# Altium PCB AKK_V2.1.PcbDoc
Units mm, origin at the board's own origin, x right, y up, seen from the top; angles counter-clockwise.
Board outline 84.98 x 55.07 mm, 4 copper layers (Top Layer, Int1 (GND), Int2 (PWR), Bottom Layer), stack 1.369 mm thick; 57 components, 58 nets, 266 pads, 112 vias.
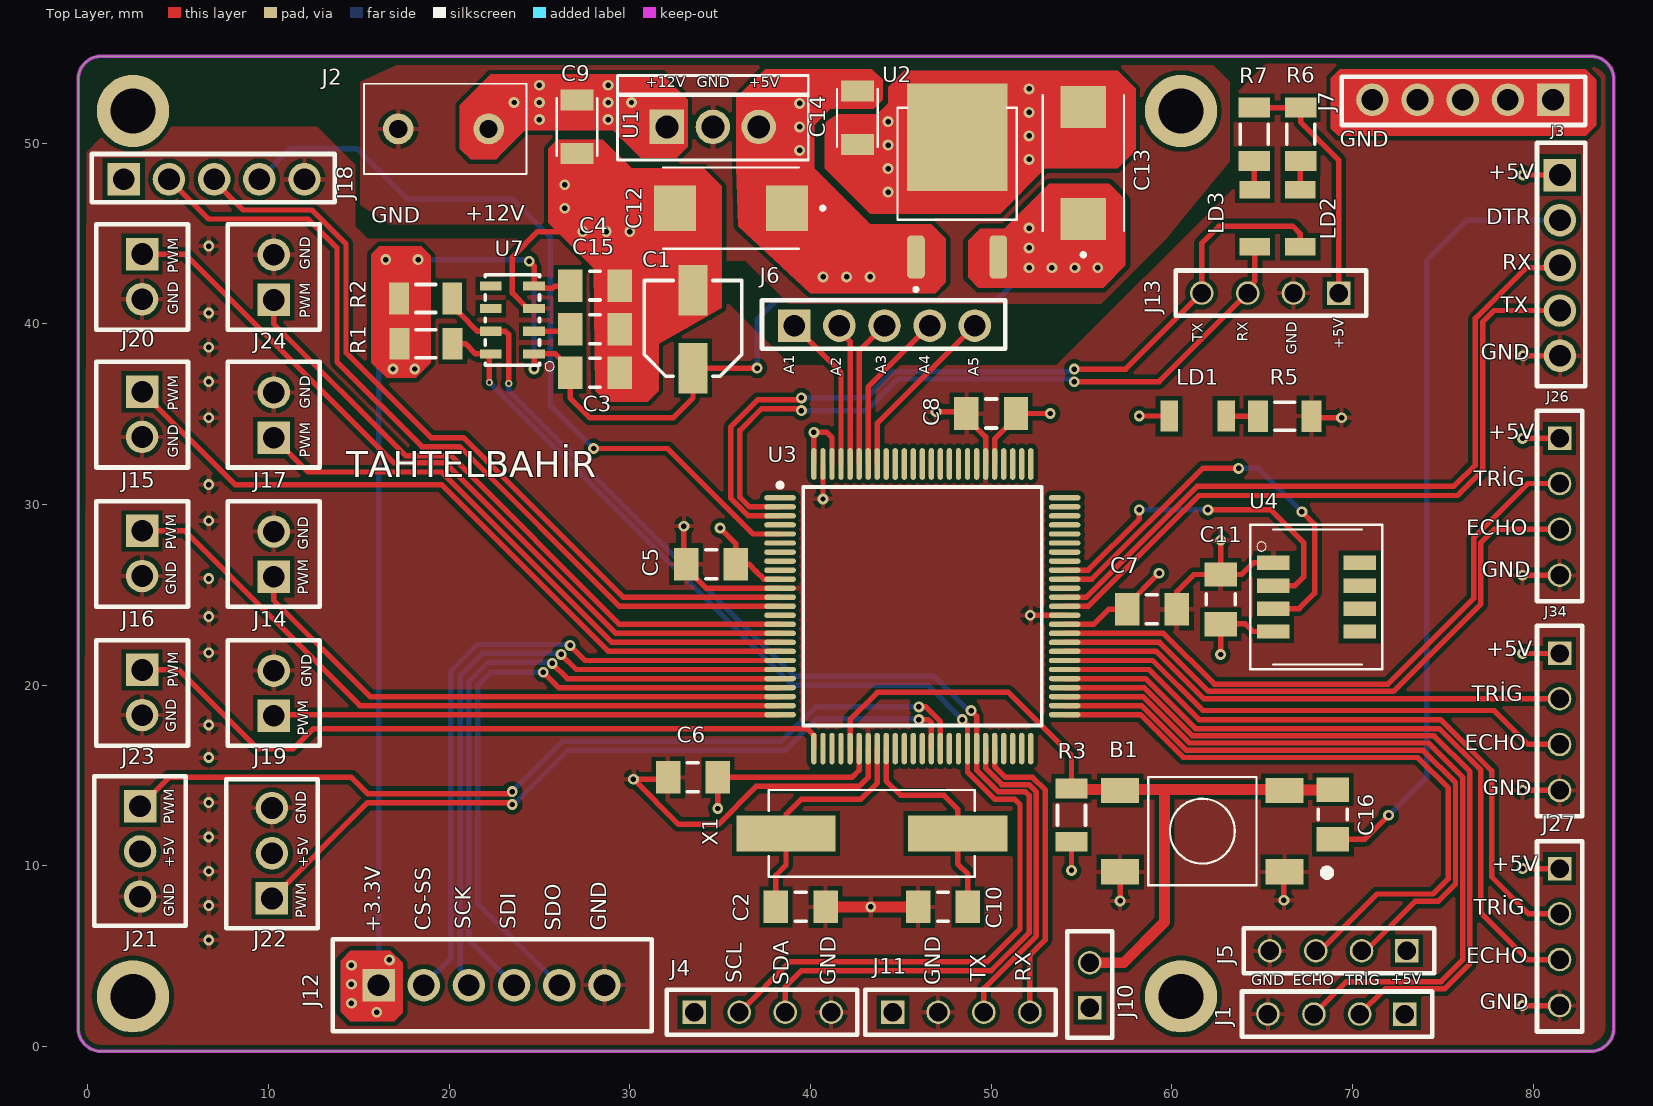
[diagram p0: Top Layer view]
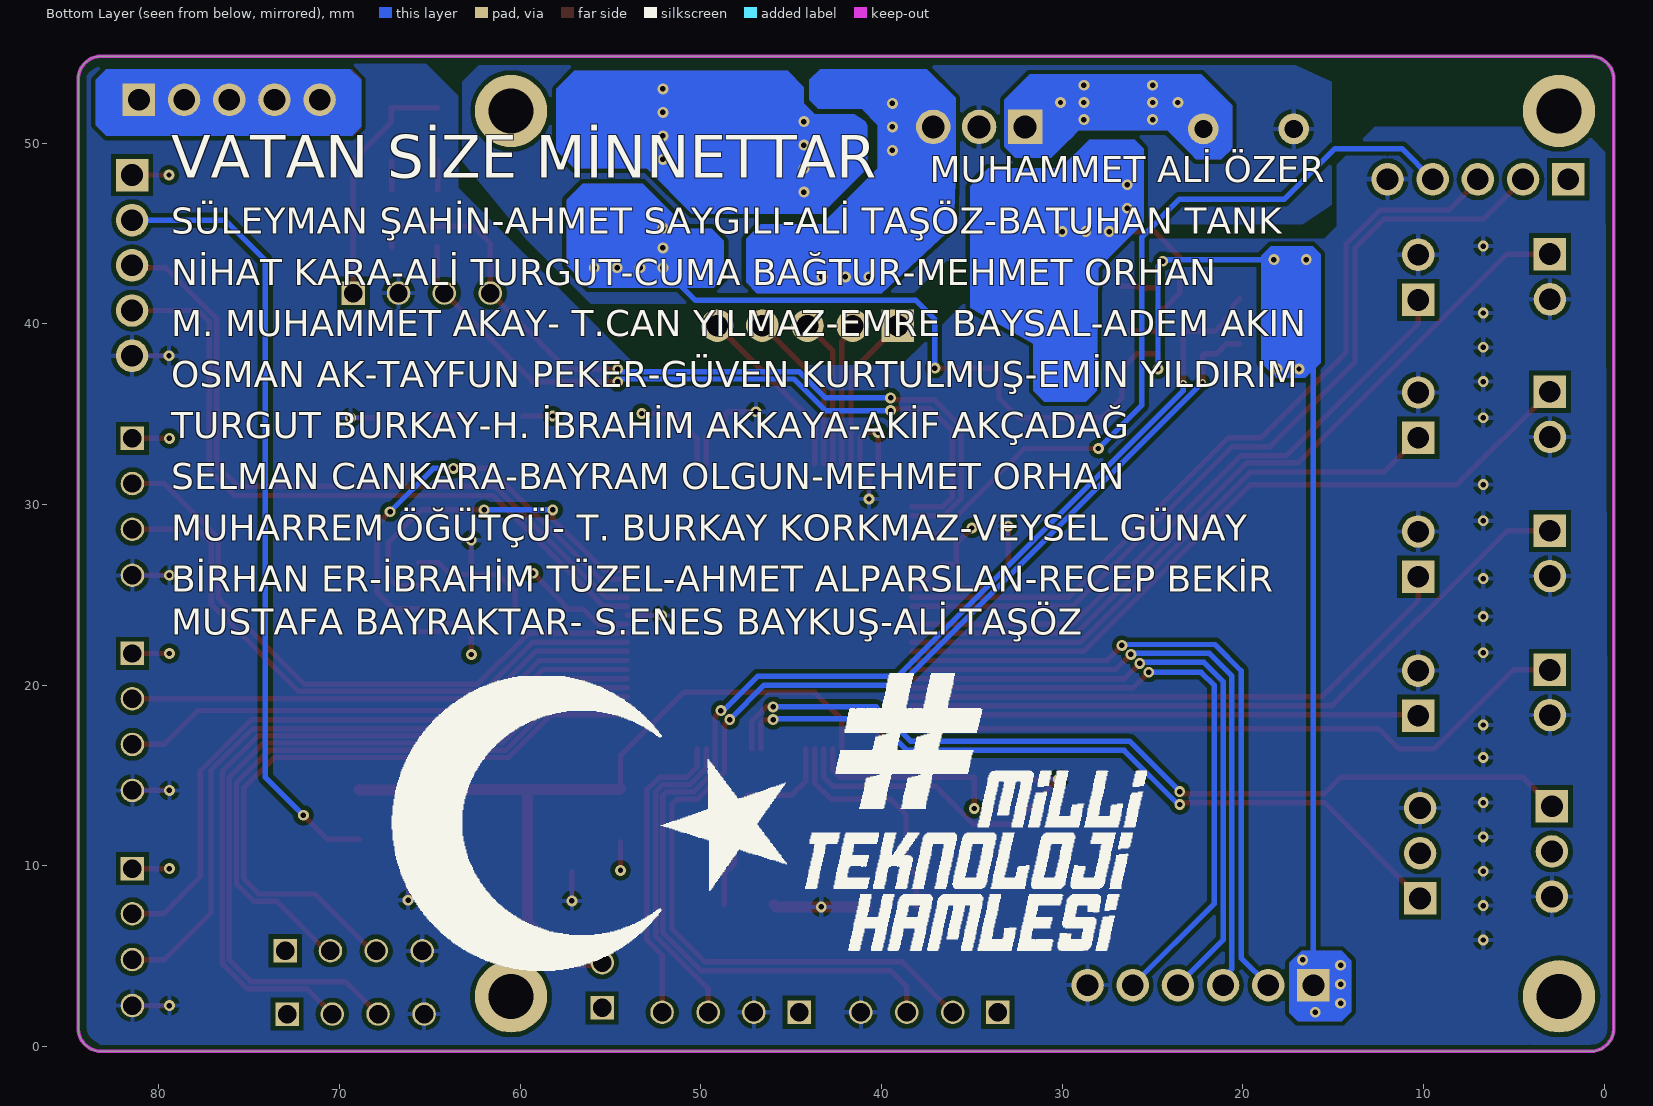
[diagram p1: Bottom Layer view, seen from below]
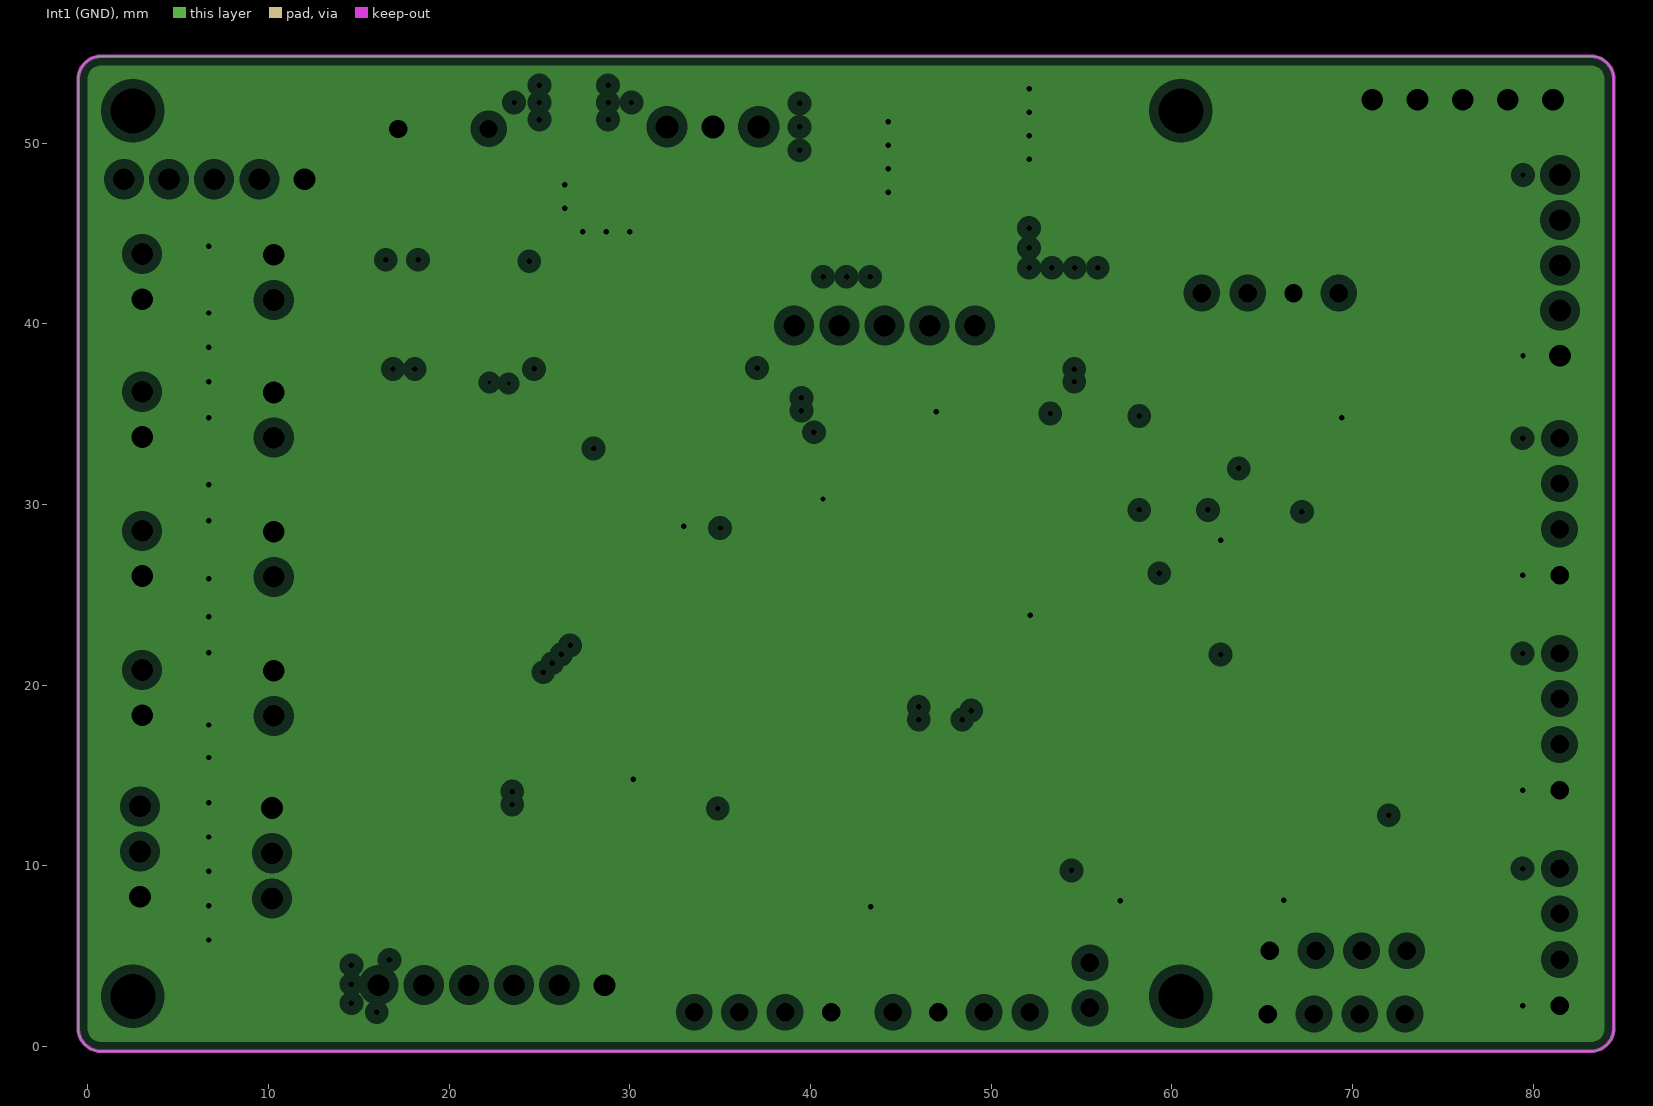
[diagram p2: Int1 (GND), clearances drawn from the general rule]
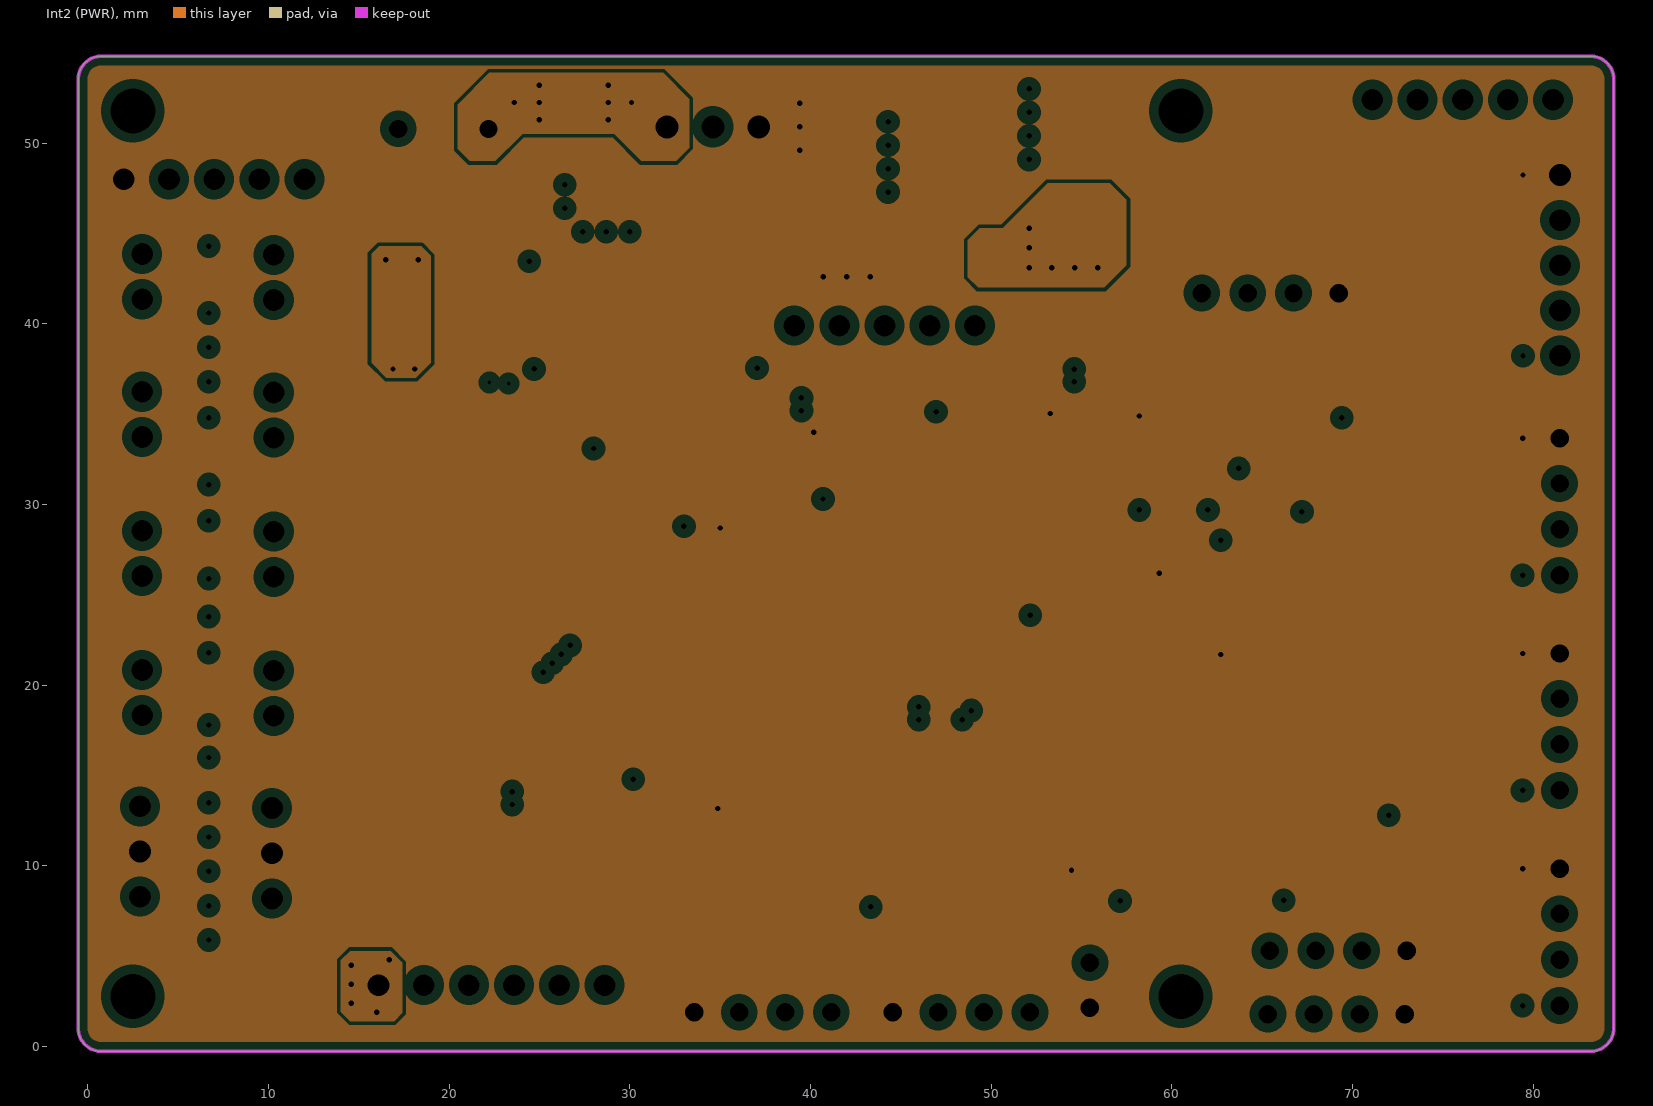
[diagram p3: Int2 (PWR), clearances drawn from the general rule]
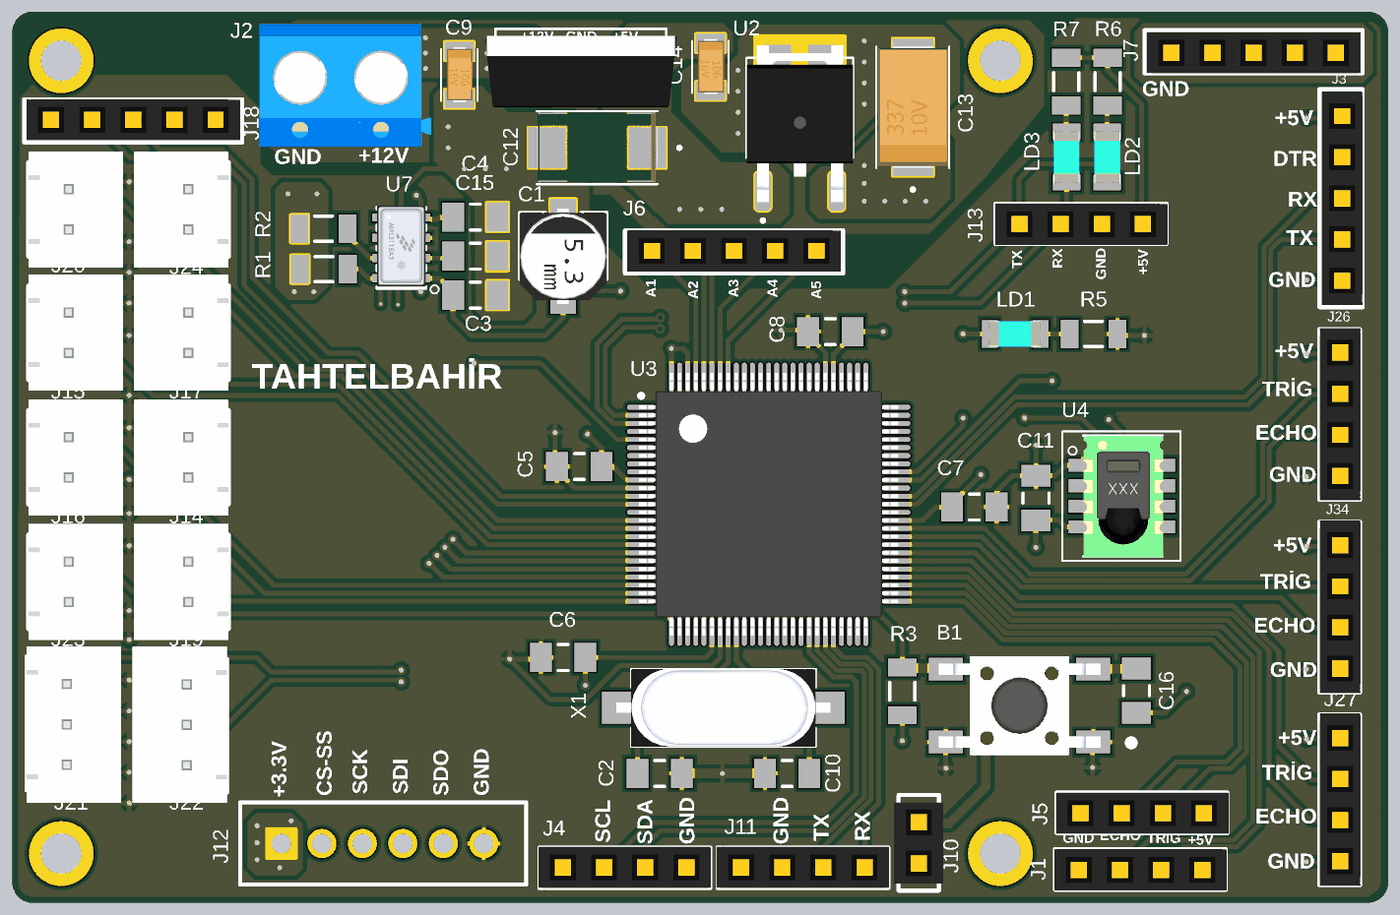
[diagram p4: 3D render of the assembled board from above, using the file's embedded part models]

## Layer stack, top to bottom
Top Solder: solder mask 0.0254, SM-001, Dk 4
Top Layer: signal copper 0.035
Dielectric 1: prepreg 0.1295, PP-017, Dk 4.3
Dielectric 2: prepreg 0.1295, PP-017, Dk 4.3
Int1 (GND): plane copper 0.035, net GND
Dielectric 3: core 0.7112, Core-039, Dk 4.8
Int2 (PWR): plane copper 0.035, net (Multiple Nets)
Dielectric 4: prepreg 0.1295, PP-017, Dk 4.3
Dielectric 5: prepreg 0.1295, PP-017, Dk 4.3
Bottom Layer: signal copper 0.035
Bottom Solder: solder mask 0.0254, SM-001, Dk 4

## Board outline
-0.522,1.008 ccw(c0.748,1.008) 0.748,-0.262 4.18,-0.262 ccw(c4.18,-0.26) 4.182,-0.26 83.19,-0.26 ccw(c83.19,1.01) 84.46,1.01 84.46,53.54 ccw(c83.19,53.54) 83.19,54.81 0.748,54.81 ccw(c0.748,53.54) -0.522,53.54

## Design rules (kind name [scope] priority, off if disabled: settings)
Clearance [All] p1: gap=0.254 ignorepadtopadclearanceinfootprint=FALSE except(0: Arc-Hole Track-Hole SMDPad-Hole THPad-Hole Via-Hole Fill-Hole Poly-Hole Region-Hole Text-Hole; 0.1: Arc-Arc Arc-Track Arc-SMDPad Arc-Via Track-Track Track-SMDPad Track-Via SMDPad-SMDPad SMDPad-Via THPad-Via Via-Via)
PlaneClearance [All] p1: clearance=0.508
PlaneConnect [All] p1: planeconnectstyle=Relief reliefexpansion=0.508 reliefentries=4 reliefconductorwidth=0.254 reliefairgap=0.254
PolygonConnect [All] p1: connectstyle=Relief reliefconductorwidth=0.254 reliefentries=4 polygonreliefangle="90 Angle" airgapwidth=0.254
RoutingVias [All] p1: holewidth=0.3 width=6 viastyle="Through Hole" minholewidth=0.2 minwidth=0.4 maxholewidth=10 maxwidth=20
SolderMaskExpansion [All] p1: expansion=0.102 istentingtop=FALSE
Width [All] p1: maxlimit=10 minlimit=0.3 preferedwidth=0.3 minimp=50.000000 maximp=50.000000 favimp=50.000000
28 further rules are at their usual default settings.

## Components (designator, comment, footprint, x,y, rotation, side; value= is the part's Value field where it differs from the comment)
B1 "4-SMD-BTTN" 4-SMD-BTTN-11.6-6.5 61.688,11.923 r180 top
C1 "=Value" CAP_5MM 33.5,39.7 r90 top
C2 "=Value" C1206N 39.463,7.732 r0 top
C3 "=Value" C1206N 28.079,37.292 r180 top
C4 "=Value" C1206N 28.079,42.118 r180 top
C5 "=Value" C1206N 34.5,26.7 r0 top
C6 "=Value" C1206N 33.5,14.9 r0 top
C7 "=Value" C1206N 58.9,24.2 r180 top
C8 "=Value" C1206N 50.004,35.037 r0 top
C9 "470nF" T_1206 27.082,50.9 r270 top
C10 "=Value" C1206N 47.337,7.732 r180 top
C11 "=Value" C1206N 62.704,24.75 r90 top
C12 "22uF" T_7343 35.6,46.4 r180 top
C13 "10uF" T_7343 55.1,48.9 r90 top
C14 "330nF" T_1206 42.6,51.4 r270 top
C15 "0.1uF" C1206N 28.079,39.705 r0 top
C16 "100nF" C1206N 68.913,12.846 r90 top
J1 "=Value" 4_PİN_HEADER 72.9,1.8 r180 top
J2 "=Value" Klemens_5mm 22.191,50.785 r180 top
J3 "=Value" 5_PİN_HEADER 81.481,48.235 r270 top
J4 "=Value" 4_PİN_HEADER 33.567,1.9 r0 top
J5 "=Value" 4_PİN_HEADER 73,5.3 r180 top
J6 "=Value" 5_PİN_HEADER 39.1,39.9 r0 top
J7 "=Value" 5_PİN_HEADER 81.1,52.4 r180 top
J10 "=Value" 2_PİN_HEADER 55.465,2.144 r90 top
J11 "=Value" 4_PİN_HEADER 44.567,1.9 r0 top
J12 "=Value" CONN_6_XH 16.1,3.4 r0 top
J13 "=Value" 4_PİN_HEADER 69.233,41.7 r180 top
J14 "=Value" CONN_2_XH 10.3,26 r90 top
J15 "=Value" CONN_2_XH 3.014,36.24 r270 top
J16 "=Value" CONN_2_XH 3.014,28.54 r270 top
J17 "=Value" CONN_2_XH 10.3,33.7 r90 top
J18 "=Value" 5_PİN_HEADER 2,48 r0 top
J19 "=Value" CONN_2_XH 10.3,18.306 r90 top
J20 "=Value" CONN_2_XH 3.014,43.861 r270 top
J21 "=Value" CONN_3_XH 2.9,13.3 r270 top
J22 "=Value" CONN_3_XH 10.2,8.2 r90 top
J23 "=Value" CONN_2_XH 3.014,20.846 r270 top
J24 "=Value" CONN_2_XH 10.3,41.321 r90 top
J26 "=Value" 4_PİN_HEADER 81.461,33.662 r270 top
J27 "=Value" 4_PİN_HEADER 81.461,9.851 r270 top
J34 "=Value" 4_PİN_HEADER 81.461,21.757 r270 top
LD1 "=Value" 1206-BLUE 61.427,34.895 r180 top
LD2 "=Value" 1206-BLUE 67.103,45.837 r270 top
LD3 "=Value" 1206-BLUE 64.591,45.837 r270 top
R1 "1K" R1206N 18.725,38.9 r180 top
R2 "1K" R1206N 18.7,41.4 r180 top
R3 "10K" R1206N 54.449,12.812 r90 top
R5 "=Value" R1206N 66.253,34.895 r180 top
R6 "=Value" R1206N 67.127,50.487 r270 top
R7 "=Value" R1206N 64.567,50.487 r270 top
U1 "LM2940-5V" TO220 32.06,50.9 r0 top
U2 "LD29150DT33R-3.3v" TO252-DPAK 48.12,47.9 r90 top
U3 "ATMEGA2560" TQFP100-2 46.194,24.369 r0 top
U4 "SHT15" SHT15 68.015,24.877 r0 top
U7 "MPL3115A2" MPL3115A2 23.507,40.213 r180 top
X1 "16MHz" HC49 43.4,11.796 r180 top

## Footprints (in the part's own frame and the unit in brackets; to place one, negate y for a bottom-side part, rotate by r counter-clockwise, add the part's x,y. Pads: shape width x height; smd on the part's side, far side on the other; paste and mask are expansions set on the pad)
2_PİN_HEADER [mm]
  rect 1.3x1.3 hole 1.02: 1(0,0)
  round 1.3 hole 1.02: 2(2.5,0)
  silkscreen extent -1.65,-1.25 4.25,1.25, body extent -1.2,-1.52 3.8,1.52, height 8.5
4-SMD-BTTN-11.6-6.5 [mm]
  rect 2.1x1.4 smd: 1(-4.55,2.25) 2(4.55,2.25) 3(-4.55,-2.25) 4(4.55,-2.25)
  silkscreen extent -7.1,-3 3,3, body extent -5,-3 5,3, height 7.26
4_PİN_HEADER [mm]
  rect 1.3x1.3 hole 1.02: 1(0,0)
  round 1.3 hole 1.02: 2(2.5,0) 3(5.033,0) 4(7.58,0)
  silkscreen extent -1.52,-1.25 9.02,1.25, body extent -1.6,-1.24 9.06,1.3, height 8.7
5_PİN_HEADER [mm]
  rect 1.8x1.8 hole 1.2: 1(0,0)
  round 1.8 hole 1.2: 2(2.5,0) 3(5,0) 4(7.5,0) 5(10,0)
  silkscreen extent -1.78,-1.27 11.68,1.4, body extent -1.64,-1.14 11.56,1.4, height 8.7
1206-BLUE [mil]
  rect 38x67 smd: 1(-62,0) 2(62,0)
  body extent -62,-31 64,31, height 43
C1206N [mm] "Chip Capacitor, 2-Leads, Body 3,20x1,60mm, IPC Medium Density"
  rect 1.35x1.8 smd: 1(-1.375,0) 2(1.375,0)
  silkscreen extent -0.3,-0.8 0.3,0.8, body extent -1.7,-0.9 1.7,0.9, height 1.8
CAP_5MM [mm]
  rect 2.8x1.6 smd: 1(-2.15,0) 2(2.15,0)
  silkscreen extent -2.6,-2.7 2.7,2.7, body extent -2.95,-2.7 2.95,2.7, height 5.4
CONN_2_XH [mm]
  rect 1.8x1.8 hole 1.2: 1(0,0)
  round 1.8 hole 1.2: 2(2.5,0)
  silkscreen extent -1.65,-2.54 4.19,2.54, body extent -2.32,-2.54 4.86,3.3, height 7.51
CONN_3_XH [mm]
  rect 1.8x1.8 hole 1.2: 1(0,0)
  round 1.8 hole 1.2: 2(2.5,0) 3(5,0)
  silkscreen extent -1.65,-2.54 6.6,2.54, body extent -2.3,-2.54 7.38,3.3, height 7.41
CONN_6_XH [mm]
  rect 1.8x1.8 hole 1.2: 1(0,0)
  round 1.8 hole 1.2: 2(2.5,0) 3(5,0) 4(7.5,0) 5(10,0) 6(12.5,0)
  silkscreen extent -2.54,-2.54 15.11,2.54
HC49 [mm]
  rect 5.5x2 smd: 1(-4.75,0) 2(4.75,0)
  silkscreen extent -5.7,-2.4 5.7,2.4, body extent -6.6,-2.4 6.6,2.4, height 4.4
Klemens_5mm [mm]
  round 1.7 hole 1: 1(0,0) 2(5,0)
  silkscreen extent -2.1,-2.5 6.9,2.5, body extent -3.18,-3.3 7.44,4.3, height 10
MPL3115A2 [mm]
  rect 1.2x0.5 smd: 1(-1.2,1.875) 2(-1.2,0.625) 3(-1.2,-0.625) 4(-1.2,-1.875) 5(1.2,-1.875) 6(1.2,-0.625) 7(1.2,0.625) 8(1.2,1.875)
  Top Layer region: -2.032,-2.159
  silkscreen extent -2.31,-2.5 1.5,2.82, body extent -1.5,-2.63 1.5,2.37, height 1.1
R1206N [mm] "Chip Resistor, 2-Leads, Body 3,20x1,60mm, IPC Medium Density"
  rect 1.1x1.75 smd: 1(-1.475,0) 2(1.475,0)
  silkscreen extent -0.55,-0.77 0.55,0.77, body extent -1.68,-0.87 1.67,0.87, height 0.65
SHT15 [mm]
  rect 1.8x0.8 smd: 1(-2.39,1.905) 2(-2.39,0.635) 3(-2.39,-0.635) 4(-2.39,-1.905) 5(2.39,-1.905) 6(2.39,-0.635) 7(2.39,0.635) 8(2.39,1.905)
  silkscreen extent -3.68,-4 3.62,4, body extent -2.38,-3.77 2.55,3.7, height 2.35
T_1206 [mm]
  rect 1.16x1.82 smd: 1(-1.475,0) 2(1.475,0)
  silkscreen extent -1.6,-1.12 1.6,1.12, body extent -1.72,-0.77 1.68,0.83, height 1.6
T_7343 [mm]
  rect 2.31x2.52 smd: 1(-3.1,0) 2(3.1,0)
  silkscreen extent -5.18,-2.25 3.75,2.25, body extent -3.73,-2.17 3.77,2.13, height 2.8
TO220 [mm]
  rect 1.905x1.905 hole 1.27: 1(0,0)
  round 1.905 hole 1.27: 2(2.54,0) 3(5.08,0)
  silkscreen extent -2.74,-1.83 7.82,2.84, body extent -3.4,-1.99 8.48,2.41, height 19.11
TO252-DPAK [mm]
  rrect50% 2.4x0.98 smd: 1(-4.2,2.28) 2(-4.2,-2.28)
  rect 5.96x5.57 smd paste-4: 3(2.42,0)
  silkscreen extent -6.1,-3.3 4.06,3.3, body extent -4.85,-3.3 4.85,3.28, height 2.3
TQFP100-2 [mm]
  oval 1.75x0.3 smd: 1(-7.875,6) 2(-7.875,5.5) 3(-7.875,5) 4(-7.875,4.5) 5(-7.875,4) 6(-7.875,3.5) 7(-7.875,3) 8(-7.875,2.5) 9(-7.875,2) 10(-7.875,1.5) 11(-7.875,1) 12(-7.875,0.5) 13(-7.875,0) 14(-7.875,-0.5) 15(-7.875,-1) 16(-7.875,-1.5) 17(-7.875,-2) 18(-7.875,-2.5) 19(-7.875,-3) 20(-7.875,-3.5) 21(-7.875,-4) 22(-7.875,-4.5) 23(-7.875,-5) 24(-7.875,-5.5) 25(-7.875,-6) 51(7.875,-6) 52(7.875,-5.5) 53(7.875,-5) 54(7.875,-4.5) 55(7.875,-4) 56(7.875,-3.5) 57(7.875,-3) 58(7.875,-2.5) 59(7.875,-2) 60(7.875,-1.5) 61(7.875,-1) 62(7.875,-0.5) 63(7.875,0) 64(7.875,0.5) 65(7.875,1) 66(7.875,1.5) 67(7.875,2) 68(7.875,2.5) 69(7.875,3) 70(7.875,3.5) 71(7.875,4) 72(7.875,4.5) 73(7.875,5) 74(7.875,5.5) 75(7.875,6)
  oval 0.3x1.75 smd: 26(-6,-7.875) 27(-5.5,-7.875) 28(-5,-7.875) 29(-4.5,-7.875) 30(-4,-7.875) 31(-3.5,-7.875) 32(-3,-7.875) 33(-2.5,-7.875) 34(-2,-7.875) 35(-1.5,-7.875) 36(-1,-7.875) 37(-0.5,-7.875) 38(0,-7.875) 39(0.5,-7.875) 40(1,-7.875) 41(1.5,-7.875) 42(2,-7.875) 43(2.5,-7.875) 44(3,-7.875) 45(3.5,-7.875) 46(4,-7.875) 47(4.5,-7.875) 48(5,-7.875) 49(5.5,-7.875) 50(6,-7.875) 76(6,7.875) 77(5.5,7.875) 78(5,7.875) 79(4.5,7.875) 80(4,7.875) 81(3.5,7.875) 82(3,7.875) 83(2.5,7.875) 84(2,7.875) 85(1.5,7.875) 86(1,7.875) 87(0.5,7.875) 88(0,7.875) 89(-0.5,7.875) 90(-1,7.875) 91(-1.5,7.875) 92(-2,7.875) 93(-2.5,7.875) 94(-3,7.875) 95(-3.5,7.875) 96(-4,7.875) 97(-4.5,7.875) 98(-5,7.875) 99(-5.5,7.875) 100(-6,7.875)
  silkscreen extent -8,-6.6 6.6,6.82, body extent -8,-8.12 8,8.13, height 1.2
